# Altium PCB ROBOT_PCB_version2.PcbDoc (part 3 of 3)
Units mm, origin at the board's own origin, x right, y up, seen from the top; angles counter-clockwise.
Board outline 200 x 120 mm, 4 copper layers (Top Layer, POWER, GND, Bottom Layer), stack 2.008 mm thick; 282 components, 218 nets, 957 pads, 326 vias.
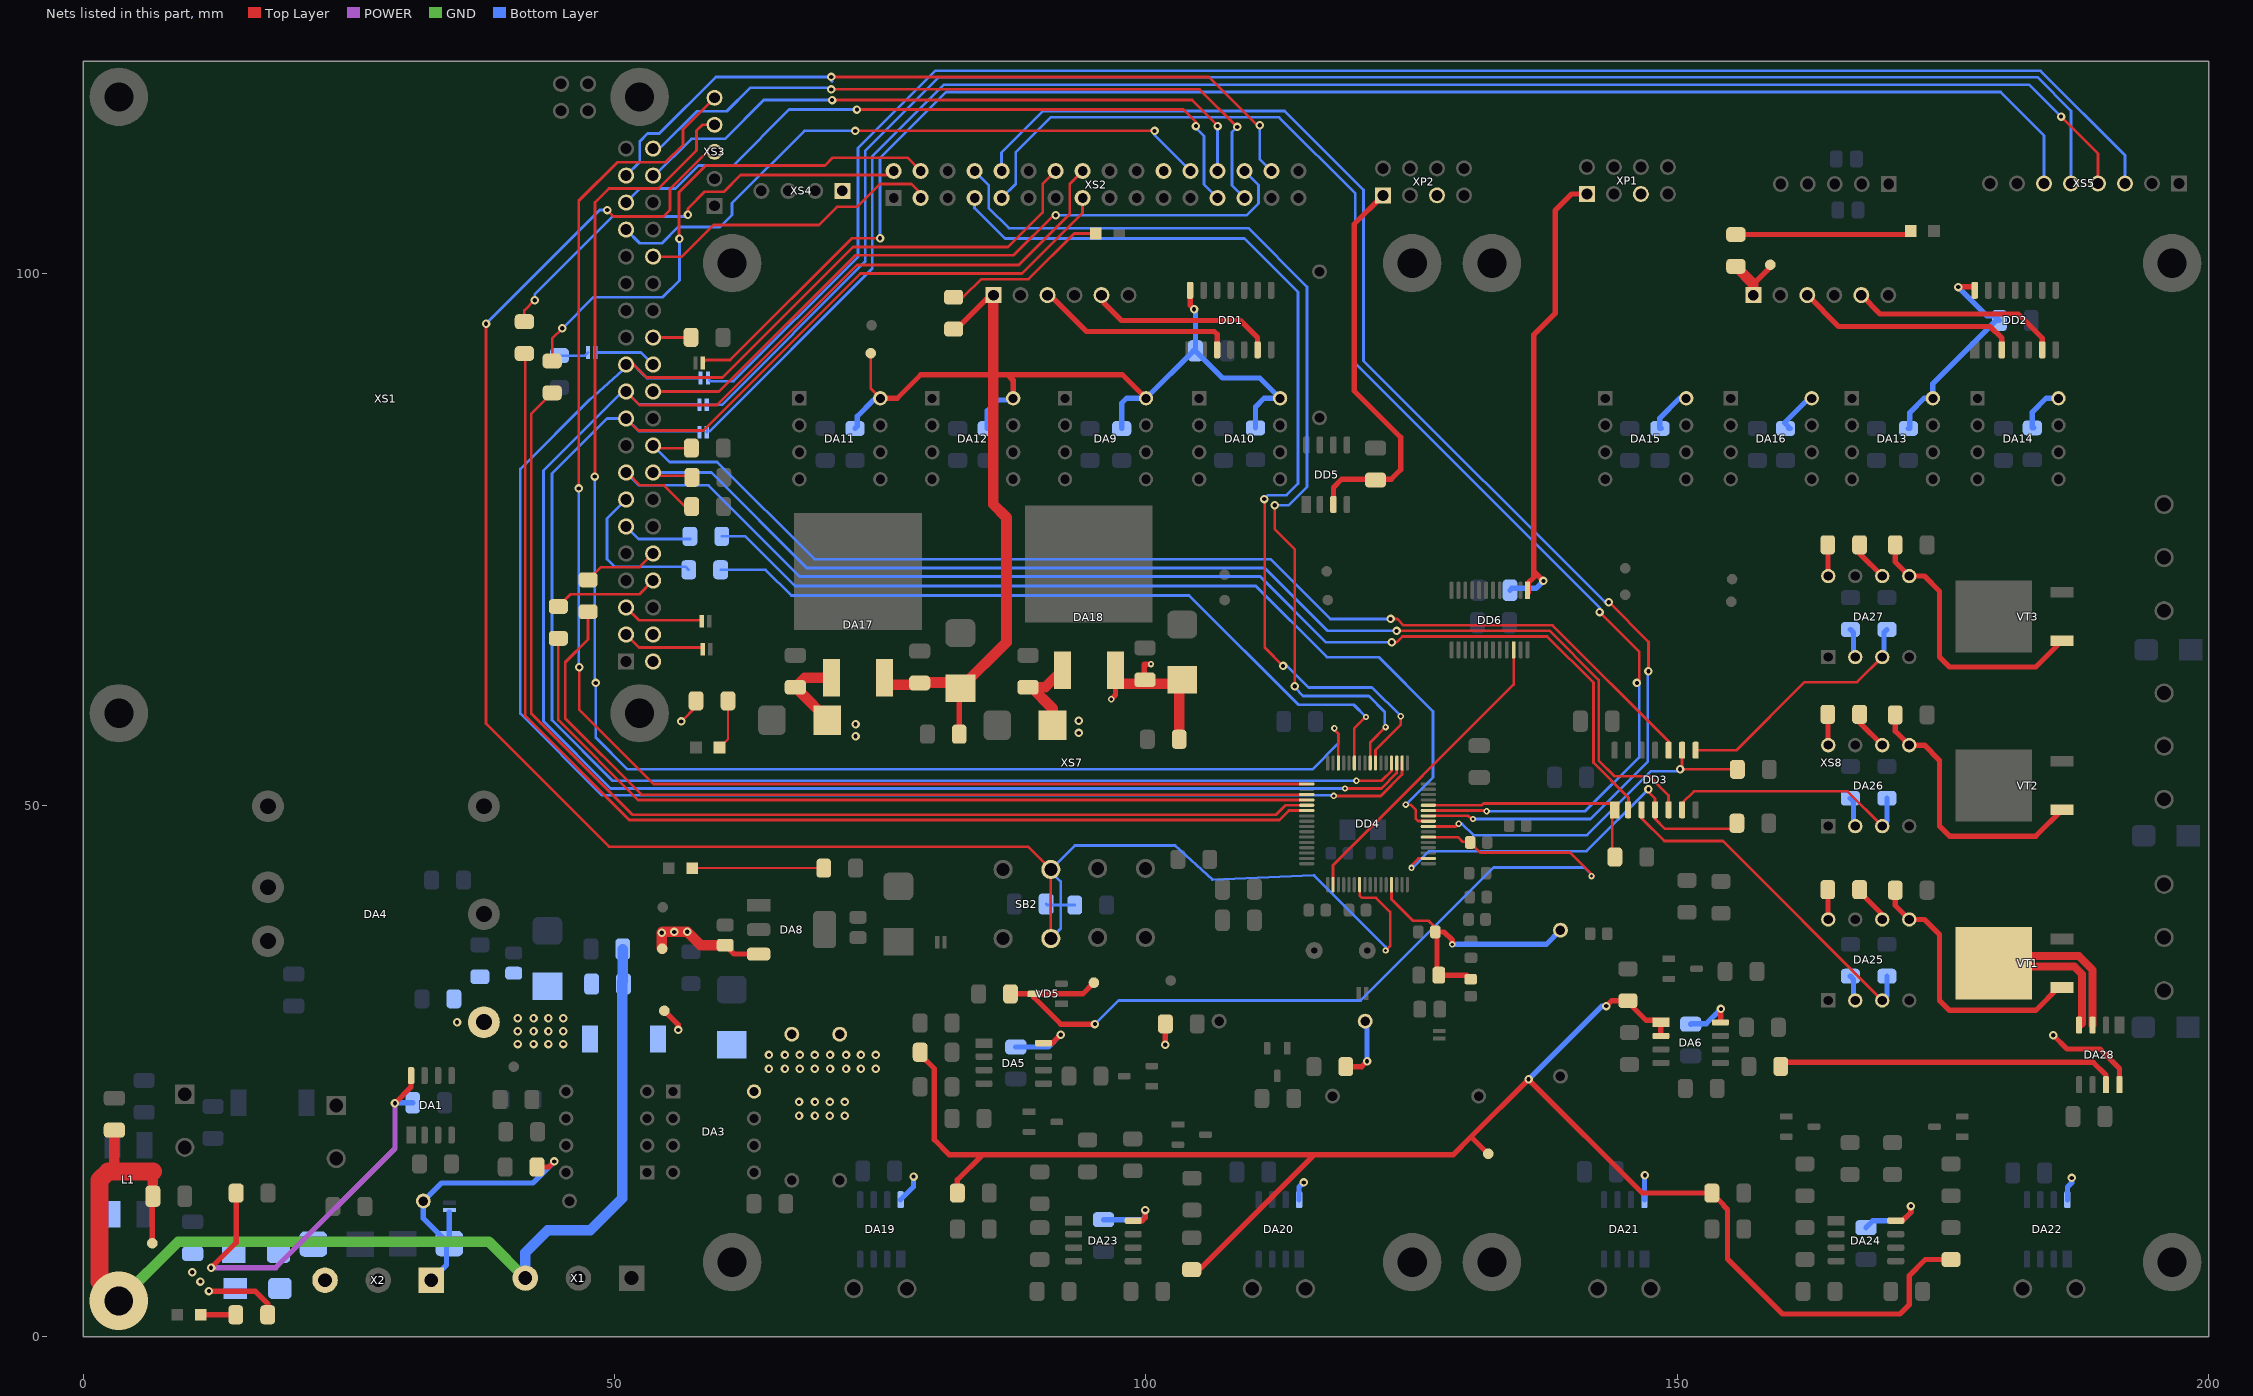
[diagram p5: the nets of this part, all layers, seen from the top]

## Via types
v1: diameter 0.8, hole 0.4, Top Layer to Bottom Layer, 274 vias
v2: diameter 0.6, hole 0.3, Top Layer to Bottom Layer, 47 vias
v3: diameter 1.27, hole 0.711, Top Layer to Bottom Layer, 3 vias
v4: diameter 5.5, hole 2.75, Top Layer to Bottom Layer, 1 vias
v5: diameter 5.5, hole 2.7, Top Layer to Bottom Layer, 1 vias

## Nets (pads, with @x,y where several pads share a name; then routed paths per layer and width w, separated by ;. In a path a pad name is that pad's centre, name@x,y a point inside that pad or via, vN(x,y) a via of type N, cw(c..) or ccw(c..) an arc to the next point about the centre after c; other vN are vias at no path point) (continued)
NetDA25_2: DA25.2 R90.1 | length 2.5
  Bottom Layer w0.5: R90.1@166.28,33.91 166.577,33.613 166.577,31.793 DA25.2@166.74,31.63
NetDA25_3: DA25.3 DD3.3 R88.1 | length 33
  Top Layer w0.254: DD3.3@146.63,49.57 146.63,48.77 148.775,46.625 154.285,46.625 DA25.3@169.28,31.63
  Bottom Layer w0.5: DA25.3@169.28,31.63 169.72,32.07 R88.1@169.72,33.91
NetDA25_5: DA25.5 R100.2 VT1.1 | length 25.7
  Top Layer w0.5: R100.2@170.5,42 170.5,40.57 DA25.5@171.82,39.25 173.24,39.25 174.67,37.82 174.67,31.63 175.61,30.69 183.72,30.69 185.88,32.85 VT1.1@186.19,32.85
NetDA25_6: DA25.6 R99.1 | length 3.7
  Top Layer w0.5: R99.1@167.15,42.05 167.15,41.85 169.117,39.883 169.117,39.413 DA25.6@169.28,39.25
NetDA26_2: DA26.2 R91.1 | length 2.8
  Bottom Layer w0.5: R91.1@166.28,50.65 166.577,50.353 166.577,48.193 DA26.2@166.74,48.03
NetDA26_3: DA26.3 DD3.6 R89.1 | length 24.1
  Top Layer w0.254: DD3.6@150.44,49.57 150.44,50.19 151.55,51.3 166.01,51.3 DA26.3@169.28,48.03
  Bottom Layer w0.5: DA26.3@169.28,48.03 169.72,48.47 R89.1@169.72,50.65
NetDA26_5: DA26.5 R102.2 VT2.1 | length 26
  Top Layer w0.5: R102.2@170.5,58.5 170.5,56.97 DA26.5@171.82,55.65 173.24,55.65 174.67,54.22 174.67,48.03 175.61,47.09 183.72,47.09 VT2.1@186.19,49.56
NetDA26_6: DA26.6 R101.1 | length 3.8
  Top Layer w0.5: R101.1@167.15,58.55 167.15,57.78 DA26.6@169.28,55.65
NetDA27_2: DA27.2 R92.1 | length 2.8
  Bottom Layer w0.5: R92.1@166.28,66.53 166.577,66.233 166.577,64.103 DA27.2@166.74,63.94
NetDA27_3: DA27.3 DD3.8 R87.1 | length 24
  Top Layer w0.254: DD3.8@151.71,55.17 155.57,55.17 161.975,61.575 166.915,61.575 DA27.3@169.28,63.94
  Bottom Layer w0.5: DA27.3@169.28,63.94 169.443,64.103 169.443,66.253 R87.1@169.72,66.53
NetDA27_5: DA27.5 R104.2 VT3.1 | length 26.1
  Top Layer w0.5: R104.2@170.5,74.5 170.5,72.88 DA27.5@171.82,71.56 173.24,71.56 174.67,70.13 174.67,63.94 175.61,63 183.72,63 VT3.1@186.19,65.47
NetDA27_6: DA27.6 R103.1 | length 3.8
  Top Layer w0.5: R103.1@167.15,74.5 167.15,73.69 DA27.6@169.28,71.56
NetDA28_3: DA28.3 DA28.4 VT1.2 | length 28.9
  Top Layer w0.5: VT1.2@179.79,35.13 VT1.2@180.46,35.8
  Top Layer w0.75: VT1.2@179.79,35.13 180.12,34.8 187.365,34.8 188.075,34.09 188.075,29.475 DA28.4@187.9,29.3 ; VT1.2@180.46,35.8 187.775,35.8 189.065,34.51 DA28.3@189.065,29.3
NetDA28_7: DA28.7 R98.1 | length 32.2
  Top Layer w0.5: R98.1@159.725,25.425 160.1,25.8 189.135,25.8 190.335,24.6 DA28.7@190.335,23.7
NetE2_1: E2.1 XS1.24 | length 6.1
  Bottom Layer w0.254: E2.1@48.2,92.6 52.48,92.6 XS1.24@53.62,91.46 XS1.24@53.393,91.46
NetE2_2: E2.2 R8.2 | length 2.8
  Bottom Layer w0.254: R8.2@44.8,92.3 47.2,92.3 E2.2@47.5,92.6
NetE3_1: E3.1 XS1.3 | length 8.1
  Top Layer w0.254: XS1.3@50.785,66.06 XS1.3@51.08,66.06 52.301,64.839 58.311,64.839 E3.1@58.387,64.763
NetE4_1: E4.1 XS1.5 | length 7.6
  Top Layer w0.254: XS1.5@51.08,68.6 52.28,67.4 E4.1@58.2,67.4
NetE5_1: E5.1 XS5.3 | length 157.3
  Bottom Layer w0.254: E5.1@58.93,89.973 59.003,89.9 61.2,89.9 72.9,101.6 72.9,111.845 80.155,119.1 178.266,119.1 184.18,119.1 192.12,111.16 XS5.3@192.12,108.5
NetE6_1: E6.1 XS5.4 | length 156.3
  Top Layer w0.254: v1(186.1,114.8) 189.58,111.32 XS5.4@189.58,108.5
  Bottom Layer w0.254: E6.1@58.675,85.1 E6.1@58.675,85.575 ; 58.938,85.178 74.235,100.475 74.235,111.06 80.975,117.8 178.316,117.8 183.1,117.8 v1(186.1,114.8)
NetE7_1: E7.1 XS5.5 | length 155
  Bottom Layer w0.254: E7.1@58.675,87.675 60.101,87.675 73.574,101.148 73.574,111.566 80.508,118.5 178.308,118.5 183.875,118.5 187.04,115.335 XS5.5@187.04,108.837
NetE8_1: E8.1 XS5.6 | length 147.4
  Top Layer w0.254: E8.1@58.3,91.6 58.6,91.9 60.875,91.9 72.325,103.35 v1(74.975,103.35) v1@74.996,103.35
  Bottom Layer w0.254: v1(74.975,103.35) 74.975,110.9 81.175,117.1 178.324,117.1 180.425,117.1 184.5,113.025 XS5.6@184.5,108.5
NetHL1_a: HL1.a R30.2 | length 4.7
  Top Layer w0.2: HL1.a@59.864,55.42 60.663,56.22 R30.2@60.663,59.82
NetHL2_a: HL2.a R31.2 | length 12.5
  Top Layer w0.2: HL2.a@57,44.027 HL2.a@57.1,43.927 ; HL2.a@57.3,44.052 57.323,44.075 R31.2@69.675,44.075
NetHL3_a: HL3.a R32.2 | length 15.9
  Top Layer w0.254: R32.2@81.9,97.8 82.8,97.8 84.5,99.5 88.95,99.5 93.25,103.8 HL3.a@95.27,103.8
NetHL4_a: HL4.a R33.2 | length 16.4
  Top Layer w0.5: R33.2@155.5,103.7 HL4.a@171.95,103.7
NetHL5_a: HL5.a R28.2 | length 3.3
  Top Layer w0.5: HL5.a@11.05,2.05 R28.2@14.35,2.05
NetR6_2: R6.2 XS1.11 | length 6.5
  Bottom Layer w0.254: XS1.11@51.08,76.22 52.25,75.05 R6.2@57.125,75.05
NetR7_2: R7.2 XS1.13 | length 14.5
  Bottom Layer w0.254: XS1.13@51.08,78.76 49.28,76.96 49.28,73.145 49.975,72.45 56.675,72.45 R7.2@56.975,72.15
NetR9_2: R9.2 XS1.26 | length 3.3
  Top Layer w0.254: XS1.26@53.62,94 R9.2@56.9,94
NetR13_1: R13.1 XS2.2 | length 42.2
  Top Layer w0.254: R13.1@41.5,95.5 41.5,96.55 v1(42.475,97.525) ; v1(56.9,105.55) 56.9,106.15 58.475,107.725 60.275,107.725 61.85,109.3 75.875,109.3 XS2.2@76.25,109.675
  Bottom Layer w0.254: v1(42.475,97.525) 42.475,98.075 49.8,105.4 57.048,105.4 56.9,105.548 v1(56.9,105.55)
NetR14_1: R14.1 XS2.4 | length 49.3
  Top Layer w0.254: R14.1@44.125,91.8 44.125,93.925 v1(45.075,94.875) ; v1(56.1,103.296) 56.05,103.346 56.05,107.675 58.575,110.2 69.8,110.2 70.525,110.925 77.54,110.925 XS2.4@78.79,109.675
  Bottom Layer w0.254: v1(45.075,94.875) 48,97.8 54.525,97.8 56.1,99.375 v1(56.1,103.296)
NetR26_2: R26.2 R29.1 | length 6.1
  Top Layer w0.5: R26.2@118.8,25.4 120.3,25.4 v1(120.8,25.9)
  Bottom Layer w0.5: R29.1@120.625,29.675 120.8,29.5 v1(120.8,25.9)
O\E\: DD4.2 DD6.22 | length 29.2
  Top Layer w0.254: DD4.2@117.6,42.495 DD4.2@117.6,42.52 117.6,44.35 134.6,61.35 DD6.22@134.6,64.625
P1V: DA6.1 DA6.2 K3.1 R19.1 R60.1 R62.1 R64.1 R66.1 R97.1 | length 177.2
  Top Layer w0.5: R19.1@78.75,26.75 78.75,26.55 80.075,25.225 80.075,18.525 81.5,17.1 82.66,17.1 ; R60.1@82.25,13.3 R60.1@82.25,13.5 82.25,14.75 84.6,17.1 ; 82.3,17.1 84.6,17.1 ; R62.1@104.125,6.4 105.125,6.4 115.825,17.1 ; K3.1@132.2,17.2 130.6,18.8 ; v1(143.3,31.1) 143.8,31.6 R97.1@145.35,31.6 ; R97.1@145.15,31.35 145.469,31.35 147.069,29.75 148.255,29.75 DA6.1@148.45,29.555 DA6.2@148.45,28.285 ; R66.1@175.75,7.25 173.325,7.25 171.825,5.75 171.825,3 170.95,2.125 159.9,2.125 154.725,7.3 154.725,11.95 154.348,12.327 154.348,12.402 R64.1@153.25,13.5 146.7,13.5 v1(136,24.2) 130.6,18.8 ; 84.6,17.1 103.699,17.1 115.825,17.1 ; 115.825,17.1 116.595,17.1 ; 116.595,17.1 128.9,17.1 ; 116.595,17.1 128.9,17.1 ; 128.9,17.1 130.6,18.8
  Bottom Layer w0.5: v1(136,24.2) 142.9,31.1 v1(143.3,31.1)
P5V: C10.2 C12.1 C13.1 C15.p C19.1 C59.1 C60.1 DA4.4 DA8.3 DD5.3 DD6.1 K6.1 L3.1 R30.1 R68.2 XP1.1 XP1.5 XP2.1 XP2.5 XS1.2 XS1.4 XS2.22 XS4.1 | length 97
  Top Layer w0.254: v1(56.275,57.875) 57.663,59.263 R30.1@57.663,59.645
  Top Layer w0.5: C19.1@60.4,36.827 61.235,35.992 DA8.3@63.55,35.992 ; DD5.3@117.635,78.3 117.635,79.9 118.405,80.67 123.07,80.67 123.975,81.575 123.975,84.609 119.6,88.984 119.6,104.68 XP2.1@122.305,107.385 ; DD6.1@136,70 DD6.1@136,70.325 ; DD6.1@136,70.225 136,70.95 136.5,71.45 136.5,72 ; v1(137.4,71.1) 136.5,72 ; XP1.1@141.485,107.51 140.05,107.51 138.5,105.96 138.5,96.275 136.5,94.275 136.5,72
  Top Layer w1: K6.1@54.475,36.5 54.425,36.55 v1(54.425,38) 54.5,38.075 v1(55.6,38.075) 55.625,38.1 v1(56.825,38.1) 58.098,36.827 C19.1@60.4,36.827
  Bottom Layer w0.5: C60.1@134.25,70.225 134.425,70.4 136.7,70.4 v1(137.4,71.1)
  Bottom Layer w2: DA4.4@37.7,29.58 DA4.4@37.924,29.58
  other v1: 40.876,27.524 42.376,27.524 43.776,27.524 45.176,27.524 40.876,28.724 42.376,28.724 43.776,28.724 45.176,28.724 35.173,29.58 40.876,29.943 42.376,29.943 43.776,29.943 45.176,29.943
P5V_A: C16.2 C17.p C18.2 C44.2 C45.2 DA3.8 DA5.8 DA6.8 DA19.8 DA20.8 DA21.8 DA22.8 DA23.8 DA24.8 DA28.8 K7.1 L3.2 R16.2 R17.2 R23.1 | length 48.1
  Top Layer w0.5: K7.1@54.675,30.65 55.975,29.35 v1(55.975,28.85) ; DA5.8@90.35,27.61 91.179,27.61 91.969,28.4 v1(91.975,28.4) ; DA23.8@98.8,10.905 99.655,10.905 99.925,11.175 v1(99.925,11.9) ; v1(101.8,27.45) 101.825,27.475 R23.1@101.825,29.425 ; DA6.8@154.05,29.555 154.075,29.58 154.075,30.8 v1(154.1,30.825) ; DA24.8@170.55,10.905 171.18,10.905 171.975,11.7 v1(171.975,12.275) ; v1(185.375,28.35) 186.675,27.05 189.775,27.05 191.605,25.22 DA28.8@191.605,23.7
  Bottom Layer w0.5: DA19.8@76.905,12.875 78.125,14.095 v1(78.125,15.05) ; C18.2@87.75,27.25 90.825,27.25 v1(91.975,28.4) ; C44.2@96,11 99.675,11 99.925,11.25 v1(99.925,11.9) ; DA20.8@114.405,12.875 114.405,14.055 v1(114.85,14.5) ; DA21.8@146.905,12.875 146.905,15.13 v1(146.95,15.175) ; C16.2@151.25,29.4 151.282,29.432 152.707,29.432 v1(154.1,30.825) ; C45.2@167.75,10.25 168.4,10.9 171.175,10.9 171.975,11.7 v1(171.975,12.275) ; DA22.8@186.705,12.875 186.705,14.055 187.1,14.45 v1(187.1,14.925)
  other v1: 67.35,20.775 68.85,20.775 70.25,20.775 71.65,20.775 67.35,22.075 68.85,22.075 70.25,22.075 71.65,22.075 64.524,25.204 66.024,25.204 67.424,25.204 68.824,25.204 70.275,25.2 71.775,25.2 73.175,25.2 74.575,25.2 64.524,26.504 66.024,26.504 67.424,26.504 68.824,26.504 70.275,26.5 71.775,26.5 73.175,26.5 74.575,26.5
P5V_EXT_1: C30.2 C32.p C35.2 DA9.8 DA10.8 DA11.8 DA12.8 DA17.3 DD1.14 K16.1 R32.1 R42.2 R43.2 R44.2 R45.2 R57.2 XS7.1 | length 130.2
  Top Layer w0.254: K16.1@74.1,92.525 74.1,89.19 DA11.8@75,88.29
  Top Layer w0.5: DA11.8@75,88.29 76.59,88.29 78.8,90.5 85.63,90.5 86.975,90.5 ; R32.1@81.9,94.8 82.175,94.8 85.375,98 XS7.1@85.65,98 ; R57.2@82.425,57.025 82.425,60.89 C32.p@82.535,61 ; DA12.8@87.5,88.29 87.5,89.975 86.975,90.5 ; DA9.8@100,88.29 97.79,90.5 86.975,90.5 ; DD1.14@104.15,98.45 104.15,97.05 v1(104.525,96.675)
  Top Layer w1: DA17.3@75.4,62 75.4,61.616 75.7,61.316 78.516,61.316 C30.2@78.7,61.5 78.75,61.55 82.485,61.55 82.535,61.6 C32.p@82.635,61.6 ; C32.p@82.535,61 86.875,65.34 86.875,77.07 85.63,78.315 85.63,90.5 XS7.1@85.63,97.48
  POWER w0.5: DA11.8@75,88.29 DA11.8@75.145,88.435
  Bottom Layer w0.5: R44.2@72.615,85.445 72.837,85.667 72.837,86.602 74.362,88.127 74.837,88.127 DA11.8@75,88.29 ; R45.2@85.06,85.445 85.06,87.11 86.077,88.127 87.337,88.127 DA12.8@87.5,88.29 ; R42.2@97.715,85.445 97.715,87.834 98.17,88.29 DA9.8@100,88.29 104.46,92.75 C35.2@104.65,92.75 ; v1(104.525,96.675) 104.65,96.55 C35.2@104.65,92.75 ; R43.2@110.3,85.5 110.3,87.484 111.106,88.29 DA10.8@112.62,88.29 110.705,90.205 107.195,90.205 C35.2@104.65,92.75
P5V_EXT_2: C31.2 C33.p C36.2 DA13.8 DA14.8 DA15.8 DA16.8 DA18.3 DD2.14 K17.1 R33.1 R46.2 R47.2 R48.2 R49.2 R59.2 XS8.1 | length 58.5
  Top Layer w0.5: v2(96.725,59.975) 97.125,60.375 97.125,61.616 DA18.3@97.125,62.7 ; C31.2@99.9,61.425 99.825,61.5 99.825,63.225 99.875,63.275 v2(100.475,63.275) ; 157.15,99.05 158.75,100.65 K17.1@158.75,100.85 ; v1(176.425,98.75) 176.425,98.785 177.655,98.785 DD2.14@177.99,98.45
  Top Layer w1: DA18.3@97.125,61.616 97.316,61.425 99.9,61.425 103.025,61.425 C33.p@103.116,61.516 ; R59.2@103.116,56.2 C33.p@103.116,61.516 ; C33.p@103.4,61.8 C33.p@103.116,61.516 ; R33.1@155.5,100.7 157.15,99.05 XS8.1@157.15,98
  POWER w0.5: DA15.8@150.835,88.29 DA15.8@150.835,88.735
  Bottom Layer w0.5: R48.2@148.35,85.445 148.496,85.445 148.35,85.591 148.35,86.422 150.218,88.29 DA15.8@150.835,88.29 ; R49.2@160.475,85.445 160.621,85.445 160.083,85.983 162.39,88.29 DA16.8@162.645,88.29 ; R46.2@171.735,85.445 171.881,85.445 171.881,86.958 173.213,88.29 DA13.8@174.045,88.29 174.045,89.67 179.975,95.6 C36.2@180.3,95.6 179.869,96.031 179.144,96.031 v1(176.425,98.75) ; R47.2@183.4,85.5 183.546,85.5 183.4,85.646 183.4,87 184.69,88.29 DA14.8@185.865,88.29
PI_CS1: DD4.25 R6.1 | length 86.9
  Top Layer w0.254: v2(124.45,50.05) 124.9,50.05 125.375,49.575 125.375,48.732 125.599,48.508 126.587,48.508 DD4.25@126.6,48.495
  Bottom Layer w0.254: R6.1@60.08,75.3 62.3,75.3 66.975,70.625 110.326,70.625 117.026,63.925 121.9,63.925 127,58.825 127,52.6 v2(124.45,50.05)
PI_CS2: DD4.43 R7.1 | length 71.2
  Top Layer w0.254: DD4.43@119.6,53.995 119.6,57.242 120.658,58.3 v2(120.7,58.3)
  Bottom Layer w0.254: R7.1@59.975,72.15 64.2,72.15 66.625,69.725 104.065,69.725 114.34,59.45 119.55,59.45 v2(120.7,58.3)
PI_MOWER1_EN: DD3.2 R82.1 XS1.15 | length 121
  Top Layer w0.254: XS1.15@51.08,81.3 51.2,81.3 52.4,80.1 54.65,80.1 56.687,78.063 R82.1@57.2,78.575 ; v1(123.125,65.325) 123.575,65.325 124.125,65.875 137.75,65.875 142.1,61.525 142.1,54 145.4,50.7 145.4,49.61 DD3.2@145.36,49.57
  Bottom Layer w0.254: XS1.15@51.08,81.3 52.28,80.1 58.825,80.1 67.4,71.525 110.75,71.525 116.95,65.325 v1(123.125,65.325) v1@123.4,65.325
PI_MOWER2_EN: DD3.5 R85.1 XS1.16 | length 117.8
  Top Layer w0.254: XS1.16@53.62,81.3 53.92,81 56.825,81 56.975,80.85 R85.1@57.275,80.85 ; v1(123.575,66.4) 138,66.4 142.6,61.8 142.6,54.2 144.075,52.725 147.375,52.725 149.17,50.93 DD3.5@149.17,49.57
  Bottom Layer w0.254: XS1.16@53.62,81.3 59.1,81.3 68.075,72.325 111.175,72.325 117.1,66.4 v1(123.575,66.4)
PI_MOWER3_EN: DD3.10 R81.1 XS1.18 | length 111.9
  Top Layer w0.254: XS1.18@53.62,83.84 53.885,83.575 56.9,83.575 R81.1@57.3,83.175 ; v1(123.018,67.525) 123.65,67.525 124.25,66.925 138.262,66.925 149.17,56.017 DD3.10@149.17,55.17
  Bottom Layer w0.254: XS1.18@53.62,83.84 55.16,82.3 59.65,82.3 68.8,73.15 111.725,73.15 117.35,67.525 v1(123.018,67.525)
PI_UART_RX: R96.1 XS1.10 | length 7.1
  Top Layer w0.254: R96.1@47.5,71.2 48.7,72.4 52.34,72.4 XS1.10@53.62,73.68
PI_UART_TX: R95.1 XS1.8 | length 9.9
  Top Layer w0.254: R95.1@44.7,68.7 45.85,69.85 52.33,69.85 XS1.8@53.62,71.14
PWM1: DD1.3 XS7.3 | length 18.9
  Top Layer w0.5: XS7.3@90.73,98 90.975,98 94.4,94.575 106.425,94.575 106.69,94.31 DD1.3@106.69,92.85
PWM2: DD1.6 XS7.5 | length 17.8
  Top Layer w0.5: XS7.5@95.81,98 96.001,97.809 96.001,97.299 97.7,95.6 108.9,95.6 110.5,94 DD1.6@110.5,92.85
PWM3: DD2.3 XS8.3 | length 21.1
  Top Layer w0.5: XS8.3@162.23,98 165.18,95.05 179.425,95.05 180.53,93.945 DD2.3@180.53,92.85
PWM4: DD2.6 XS8.5 | length 19.8
  Top Layer w0.5: XS8.5@167.31,98 169.085,96.225 182.075,96.225 184.34,93.96 DD2.6@184.34,92.85
RESET: C34.2 DD4.7 R54.2 SB2.2 XS3.3 | length 187.9
  Top Layer w0.254: v1(37.9,95.3) 37.9,57.675 49.475,46.1 88.9,46.1 SB2.2@91.05,43.95 SB2.2@91.05,37.45 ; v1(49.3,106) 49.9,105.4 54.6,105.4 55.2,106 55.2,108 58.68,111.48 XS3.3@59.4,111.48 ; DD4.7@120.1,42.495 120.1,41.516 120.339,41.278 121.647,41.278 122.97,39.955 122.97,36.745 v2(122.55,36.325)
  Bottom Layer w0.254: v1(37.9,95.3) 48.6,106 v1(49.3,106) ; C34.2@90.6,40.7 90.7,40.6 91.975,40.6 ; SB2.2@91.05,37.45 91.975,38.375 91.975,40.6 ; R54.2@93.3,40.6 91.975,40.6 ; v2(122.55,36.325) 122.55,36.65 115.8,43.4 106.244,42.991 102.747,46.2 102.542,46.2 93.3,46.2 SB2.2@91.05,43.95 91.05,43.75 91.975,42.825 91.975,40.6
RPI_GPIO25: XS1.22 XS2.28 | length 68.3
  Top Layer w0.254: XS1.22@53.18,88.92 59.82,88.92 72.65,101.75 87.55,101.75 91.3,105.5 v1(91.5,105.5)
  Bottom Layer w0.254: v1(91.5,105.5) 109.45,105.5 110.581,106.631 110.581,108.364 XS2.28@109.27,109.675
RPI_GPIO26: XS1.37 XS2.30 | length 72
  Top Layer w0.254: v1(70.375,118.525) 105.925,118.525 110.7,113.75 v1(110.7,113.97)
  Bottom Layer w0.254: XS1.37@51.08,109.24 52.365,110.525 52.365,112.465 53.1,113.2 54.2,113.2 59.525,118.525 v1(70.375,118.525) 70.375,118.175 70.45,118.1 ; v1(110.7,113.97) 110.7,110.785 XS2.30@111.81,109.675
RPI_PCM_DIN: XS1.38 XS2.26 | length 61.6
  Top Layer w0.254: v1(70.453,116.356) 104.344,116.356 v1@106.73,113.97 ; v1(106.73,113.9) v1@106.73,113.97
  Bottom Layer w0.254: XS1.38@53.62,109.24 53.765,109.24 57.225,112.7 60.375,112.7 64.031,116.356 v1(70.453,116.356) ; XS2.26@106.73,109.675 106.775,109.72 106.69,109.805 106.88,109.995 106.73,110.145 106.8,110.215 106.73,110.285 v1(106.73,113.9)
RPI_PCM_DOUT: XS1.40 XS2.27 | length 66.2
  Top Layer w0.254: v1(70.378,117.356) 105.054,117.356 v1(108.585,113.825)
  Bottom Layer w0.254: XS1.40@53.62,111.78 54.23,111.78 57.75,115.3 60.55,115.3 62.75,117.5 70.234,117.5 v1(70.378,117.356) ; v1(108.585,113.825) 108.1,113.34 108.1,108.305 XS2.27@109.27,107.135
RPI_PCM_FS: XS1.35 XS2.25 | length 65.7
  Top Layer w0.254: v1(72.804,115.456) 103.519,115.456 104.7,114.275 v1(104.7,113.9)
  Bottom Layer w0.254: XS1.35@51.08,106.7 52.405,108.025 55.725,108.025 57.9,110.2 61.17,110.2 66.426,115.456 v1(72.804,115.456) ; v1(104.7,113.9) 104.7,113.725 105.45,112.975 105.45,108.415 XS2.25@106.73,107.135
RPI_PWM0: XS1.32 XS2.3 | length 28.8
  Top Layer w0.254: XS1.32@53.62,101.62 56.32,101.62 59.3,104.6 69.225,104.6 70.925,106.3 72.8,106.3 74.95,108.45 77.925,108.45 78.79,107.585 XS2.3@78.79,107.135
RPI_PWM1: XS1.33 XS2.24 | length 60.5
  Top Layer w0.254: v1(72.65,113.45) v1(100.8,113.45)
  Bottom Layer w0.254: XS1.33@51.08,104.16 52.365,102.875 54.45,102.875 55.975,104.4 59.9,104.4 61.05,105.55 61.05,106.65 67.85,113.45 v1(72.65,113.45) ; v1(100.8,113.45) 100.8,113.065 XS2.24@104.19,109.675
SPI_MISO: DD4.35 E7.2 XS1.21 XS2.16 | length 180.5
  Top Layer w0.254: XS1.21@51.08,88.92 52.35,87.65 59.65,87.65 72.825,100.825 88.025,100.825 92.825,105.625 92.825,108.47 XS2.16@94.03,109.675 ; v2@118.7,51.6 v2(118.727,51.573) 122.148,51.573 123.587,53.012 123.587,53.982 DD4.35@123.6,53.995
  Bottom Layer w0.254: E7.2@57.825,87.7 52.3,87.7 XS1.21@51.08,88.92 50.72,88.92 43.3,81.5 43.3,57.9 49.627,51.573 v2(118.727,51.573)
SPI_MOSI: DD4.36 E6.2 XS1.19 XS2.15 | length 175.4
  Top Layer w0.254: XS1.19@51.08,86.38 52.21,85.25 58.35,85.25 73.125,100.025 88.325,100.025 94.03,105.73 XS2.15@94.03,107.135 ; v2(119.8,52.3) 122.18,52.3 123.1,53.22 DD4.36@123.1,53.97
  Bottom Layer w0.254: E6.2@57.89,85.185 52.275,85.185 XS1.19@51.08,86.38 49.28,86.38 44.1,81.2 44.1,58 49.8,52.3 v2(119.8,52.3)
SPI_SCK: DD4.34 E5.2 XS1.23 XS2.14 | length 183.3
  Top Layer w0.254: XS1.23@51.08,91.46 51.79,91.46 53,90.25 60.15,90.25 72.425,102.525 74.847,102.525 74.849,102.523 87.023,102.523 90.275,105.775 90.275,108.46 XS2.14@91.49,109.675 ; v2(117.673,50.873) 122.09,50.873 124.087,52.87 124.087,53.982 DD4.34@124.1,53.995
  Bottom Layer w0.254: E5.2@58.08,90.203 53.025,90.203 53.025,90.19 52.713,90.502 51.53,91.685 51.219,91.336 51.203,91.322 47.613,88.123 41.125,81.635 41.125,58.617 48.813,50.929 117.617,50.929 v2(117.673,50.873)
ST_MOWER1_EN: DD3.1 DD4.28 R84.1 | length 22.2
  Top Layer w0.254: DD4.28@126.6,49.995 131.59,49.995 131.749,50.154 143.617,50.154 144.09,49.681 DD3.1@144.09,49.57 143.875,49.355 R84.1@143.875,45.325
ST_MOWER2_EN: DD3.4 DD4.18 R80.1 | length 38.8
  Top Layer w0.254: v2(124.983,44.101) 124.983,44.333 125.645,44.995 DD4.18@126.6,44.995 ; v1(147.275,51.5) 147.275,51.25 147.9,50.625 DD3.4@147.9,49.57 147.9,48.725 148.847,47.778 155.078,47.778 R80.1@155.6,48.3
  Bottom Layer w0.254: v2(124.983,44.101) 125.076,44.101 126.65,45.675 141.45,45.675 v1(147.275,51.5)
ST_MOWER3_EN: DD3.9 DD4.24 R83.1 | length 34
  Top Layer w0.254: DD4.24@126.6,47.995 126.605,48 129.175,48 v2(129.425,48.25) ; DD3.9@150.44,55.17 150.44,53.565 v1(150.25,53.375) R83.1@155.65,53.375
  Bottom Layer w0.254: v2(129.425,48.25) 129.75,48.25 130.825,47.175 133.872,47.175 133.874,47.173 137.601,47.173 137.603,47.175 141.5,47.175 147.525,53.2 150.075,53.2 v1(150.25,53.375)
SWCLK: DD4.49 XS3.5 | length 136.9
  Top Layer w0.254: v1(46.625,79.8) 46.625,106.875 50.25,110.5 54.8,110.5 56.425,112.125 56.425,113.585 XS3.5@59.4,116.56 ; v1(46.675,62.988) 46.675,58.975 53.655,51.995 DD4.49@115.1,51.995
  Bottom Layer w0.254: v1(46.625,79.8) 46.625,63.038 v1(46.675,62.988)
SWDIO: DD4.46 XS3.4 | length 142.9
  Top Layer w0.254: v1(48.125,80.925) 48.15,80.95 48.15,106.725 49.45,108.025 54.125,108.025 57.7,111.6 57.7,113.475 58.245,114.02 XS3.4@59.4,114.02 ; v2(117.727,57.242) 117.727,57.094 118.1,56.721 DD4.46@118.1,53.995
  Bottom Layer w0.254: v1(48.125,80.925) 48.125,61.598 v1(48.225,61.498) 48.225,56.375 51.227,53.373 115.661,53.373 118.087,55.799 118.087,56.734 117.727,57.094 v2(117.727,57.242)
TIMER_RESERVED_1: DD4.39 XS2.7 | length 91.5
  Top Layer w0.254: v1@110.954,78.971 v1(111.125,78.8) 111.184,78.741 111.184,64.816 v1(112.9,63.1) ; DD4.39@121.6,53.995 121.6,55.2 123.959,57.559 123.959,58.359 v2(123.975,58.375)
  Bottom Layer w0.254: XS2.7@83.87,107.135 83.87,106.18 86.725,103.325 109.25,103.325 114.3,98.275 114.3,80.25 113.225,79.175 111.5,79.175 v1(111.125,78.8) ; v1(112.9,63.1) 113.272,63.1 115.297,61.075 121.275,61.075 v2(123.975,58.375)
TIMER_RESERVED_2: DD4.40 XS2.8 | length 92.4
  Top Layer w0.254: v1(112.105,78.215) 112.105,75.97 114,74.075 v1(114,61.2) ; DD4.40@121.1,53.995 121.1,55.9 v2(122.55,57.35)
  Bottom Layer w0.254: XS2.8@83.87,109.675 85.2,108.345 85.2,106.2 87.1,104.3 109.625,104.3 115.15,98.775 115.15,79.956 113.408,78.215 v1(112.105,78.215) ; v1(114,61.2) 114,61.061 114.786,60.275 120.975,60.275 122.464,58.786 122.464,57.436 v2(122.55,57.35)
TIMER_RESERVED_3: DD4.26 XS2.10 | length 128.6
  Top Layer w0.254: DD4.26@126.6,48.995 130.324,48.995 130.619,48.7 v2(130.767,48.7) ; v1(143.55,69.1) 147.275,65.375 v1(147.275,62.6)
  Bottom Layer w0.254: XS2.10@86.41,109.675 86.41,111.41 90.325,115.325 113.05,115.325 120.475,107.9 120.475,91.8 143.175,69.1 v1(143.55,69.1) ; v2(130.767,48.7) 136.997,48.7 136.999,48.702 137.601,48.702 137.603,48.7 141.825,48.7 147.2,54.075 147.2,62.525 v1(147.275,62.6)
TIMER_RESERVED_4: DD4.27 XS2.9 | length 127.3
  Top Layer w0.254: DD4.27@126.641,49.495 131.982,49.495 v2(132.05,49.427) ; v1(142.675,68.175) 146.4,64.45 146.4,61.7 v1(146.2,61.5)
  Bottom Layer w0.254: XS2.9@86.41,107.135 87.75,108.475 87.75,111.45 91.027,114.727 112.523,114.727 119.7,107.55 119.7,91.575 142.675,68.6 v1(142.675,68.175) ; v2(132.05,49.427) 141.327,49.427 146.4,54.5 146.4,61.3 v1(146.2,61.5)
UART1_RX: DD4.52 R95.2 | length 81.2
  Top Layer w0.254: R95.2@44.7,65.7 44.7,58 52.205,50.495 DD4.52@115.1,50.495
UART1_TX: DD4.51 R96.2 | length 83.6
  Top Layer w0.254: R96.2@47.5,68.2 47.5,65.6 45.35,63.45 45.35,58.175 52.53,50.995 DD4.51@115.1,50.995
UART2_RX: DD4.54 R13.2 | length 112
  Top Layer w0.254: R13.2@41.595,92.5 41.595,58.38 51.375,48.6 112.55,48.6 113.445,49.495 DD4.54@115.1,49.495
UART2_TX: DD4.53 R14.2 | length 108.2
  Top Layer w0.254: R14.2@44.125,88.8 42.15,86.825 42.15,58.65 51.7,49.1 112.23,49.1 113.125,49.995 DD4.53@115.1,49.995
Uref: C27.1 C29.1 DD4.13 L4.2 R52.2 | length 27.4
  Top Layer w0.254: DD4.13@123.1,42.495 123.1,41.149 125.124,39.125 126.577,39.125 127.175,38.527 C29.1@127.175,38.075
  Top Layer w0.5: C29.1@127.175,38.075 127.375,37.875 127.375,34.18 C27.1@127.555,34 130.175,34 L4.2@130.55,33.625 ; C29.1@127.225,38.075 128.05,38.075 128.825,37.3 v2(128.825,36.9)
  Bottom Layer w0.5: v2(128.825,36.9) 137.66,36.9 R52.2@139,38.24
VBAT: C1.1 C6.1 C22.p C23.p C24.1 C25.1 DA1.8 DA17.1 DA18.1 DA25.8 DA26.8 DA27.8 L1.2 R12.1 R28.1 R99.2 R101.2 R103.2 VD2.C VD3.C | length 71.6
  Top Layer w0.5: v1(11.825,4.275) 16.175,4.275 17.35,3.1 R28.1@17.35,2.05 ; v1(12.025,6.475) 14.38,8.83 R12.1@14.38,13.5 ; v1(29.325,21.95) 30.845,23.47 DA1.8@30.845,24.55 ; R99.2@164.15,42.05 164.175,42.025 164.175,39.275 DA25.8@164.2,39.25 ; R101.2@164.15,58.55 164.175,58.525 164.175,55.675 DA26.8@164.2,55.65 ; R103.2@164.15,74.5 164.175,74.475 164.175,71.585 DA27.8@164.2,71.56
  Top Layer w1: C24.1@67,61.1 67.9,62 DA17.1@70.4,62 70.4,61.4 DA17.1@70.1,61.1 ; C24.1@67.5,60.6 70,58.1 C22.p@70,58 ; C25.1@88.9,61.1 C25.1@89.2,61.1 ; C23.p@91.2,57.511 91.2,59.1 C25.1@89.2,61.1 ; DA18.1@92.125,62.7 90.525,61.1 C25.1@89.2,61.1
  POWER w0.5: v1(12.025,6.475) 18.1,6.475 29.325,17.7 v1(29.325,21.95)
  Bottom Layer w0.254: v1(29.325,21.95) v1@29.375,22
  Bottom Layer w0.5: v1@29.375,22 C6.1@31,22
  other v1: 11.025,5.175 10.25,6.05 72.675,56.475 93.675,56.8 72.675,57.625 93.675,57.95
VBAT_ADC: C20.1 DD4.22 K2.1 R24.2 VD5.3 | length 86
  Top Layer w0.254: DD4.22@126.633,46.987 129.338,46.987 129.768,46.557 C20.1@130.438,46.557 ; C20.1@130.5,46.495 131.441,45.554 139.896,45.554 142.125,43.325 v2(141.925,43.325)
  Top Layer w0.5: R24.2@87.25,32.25 VD5.3@89.45,32.25 ; K2.1@95.1,33.3 94.05,32.25 VD5.3@89.45,32.25 ; v1(95.2,29.4) 91.98,29.4 89.45,31.93 VD5.3@89.45,32.25
  Bottom Layer w0.254: v1(95.2,29.4) 97.425,31.625 120.2,31.625 132.706,44.131 141.272,44.131 142.078,43.325 v2(141.925,43.325)
VIN+: VD1.1 VD2.A VD3.A X2.3 | length 0.2
  Bottom Layer w1.5: X2.3@22.506,5.3 X2.3@22.75,5.3
VOLTAGE: E1.2 R1.2 R2.1 VD4.1 X2.1 | length 27.9
  Top Layer w0.5: R1.2@42.7,15.95 43.8,15.95 v1(44.325,16.475)
  Bottom Layer w0.5: X2.1@32.75,5.3 34.175,6.725 34.175,8.475 VD4.1@34.45,8.75 ; E1.2@34.45,11.7 VD4.1@34.45,8.75 ; v1(44.325,16.475) 42.3,14.45 33.7,14.45 R2.1@32,12.75 32,11.1 34.35,8.75 VD4.1@34.45,8.75
Корпус: C2.2 C4.2 C13.2 C14.2 K19.1 X1.3 | length 108.3
  Top Layer w0.5: K19.1@6.5,8.775 6.5,13.15 C4.2@6.55,13.2
  Top Layer w1: 2.35,15.55 2.925,16.125 C2.2@2.925,19.425 ; v5(3.35,3.35) v5@3.35,4.16 ; C4.2@6.55,13.2 6.55,15.55
  Top Layer w1.7: v5(3.35,3.35) 1.525,5.175 1.525,14.725 2.35,15.55 6.55,15.55
  GND w1: v5(3.35,3.35) 8.925,8.925 38.17,8.925 X1.3@41.595,5.5
  Bottom Layer w1: X1.3@41.595,5.5 41.595,7.897 43.698,10 47.7,10 50.725,13.025 C13.2@50.725,33.43 ; C13.2@50.777,33.43 C14.2@50.777,36.458
pads on no net: DA2.1 DA2.4 DA2.7 DA3.1 DA3.4 DA3.7 DA4.5 DA9.1 DA9.4 DA9.7 DA10.1 DA10.4 DA10.7 DA11.1 DA11.4 DA11.7 DA12.1 DA12.4 DA12.7 DA13.1 DA13.4 DA13.7 DA14.1 DA14.4 DA14.7 DA15.1 DA15.4 DA15.7 DA16.1 DA16.4 DA16.7 DA25.1 DA25.4 DA25.7 DA26.1 DA26.4 DA26.7 DA27.1 DA27.4 DA27.7 DD3.11 DD5.5 DD5.8 VD5.2 VD6.2 VD7.2 VD8.2 VD9.2 VD10.2 VD11.2 XS1.1 XS1.7 XS1.12 XS1.17 XS1.27 XS1.28 XS1.41 XS1.42 XS1.43 XS1.44 XS1.S1 XS1.S2 XS1.S3 XS1.S4 XS2.31 XS2.32 XS4.2 XS4.3 XS7.S4 XS8.S4
copper on no net:
  other v4: 195.9,116.025

## Polygon pours and split planes (outlines as drawn)
GND on GND "GND_L03_P076" (solid, pour order 76): 34.4,35.139 34.4,41.1 34.4,111.6 42.1,119.3 197.75,119.3 199.25,117.8 199.25,102.35 174.6,77.7 174.6,31.3 173.775,30.475 163,30.475 148.25,45.225 142.85,45.225 138.375,49.7 134.05,49.7 132.205,47.855 127.08,47.855 124.983,45.758 124.983,43.283 122.416,40.716 122.416,35.459 50.584,35.558 49.301,34.61 49.299,26.799 47.382,24.882 40.043,24.953 34.4,29.184
AGND on GND "AGND_L03_P078" (solid, pour order 78): 53.021,34.525 52.2,33.95 52.2,26.6 53.1,25.7 58.7,25.7 59.9,24.5 59.9,14 66,7.9 66,3.5 188.4,3.5 190.1,5.2 190.1,26.8 187.5,29.4 162.696,29.4 147.706,44.39 142.509,44.39 137.812,49.087 134.5,49.087 132.588,47.175 127.423,47.175 125.9,45.652 125.9,43.092 123.2,40.392 123.2,35.216 122.509,34.525
0V on GND "Bottom Layer-No Net" (solid, pour order 82): 182.05,42.527 191.3,42.527 191.3,41.45 182.025,41.45 181.825,41.65 181.825,42.3
0V on GND "Bottom Layer-No Net" (solid, pour order 80): 182.05,59.027 191.3,59.027 191.3,57.95 182.025,57.95 181.825,58.15 181.825,58.8
0V on GND "Bottom Layer-No Net" (solid, pour order 74): 177.3,75.76 187.44,75.76 193.1,70.1 193.1,4.3 189.3,0.5 27.25,0.5 25.8,1.95 25.8,7 26.8,8 28.6,8 29.8,6.8 29.8,3.3 30.5,2.6 188.5,2.6 190.8,4.9 190.8,69.659 186.659,73.8 175.852,73.8 175.668,74.023 175.668,75.419 176.008,75.76
0V on GND "Bottom Layer-No Net" (solid, pour order 51): 148.5,79.888 148.5,81.46 148.993,81.953 191.747,81.953 192.2,81.5 192.2,79.55 192.045,79.395 148.993,79.395
0V on GND "Bottom Layer-No Net" (solid, pour order 3): 193.125,65.224 193.125,88.45 183.3,98.275 172.65,98.275 171.526,99.534 169.173,99.548 168.55,98.925 168.55,97.041 169.141,96.45 182.925,96.45 190.8,88.575 190.8,69.659
3V3 on POWER "Bottom Layer-No Net" (solid, pour order 27): 110.44,104.6 110.44,108.05 110.81,108.42 112.94,108.42 113.24,108.2 113.24,104.6
3V3 on POWER "Bottom Layer-No Net" (solid, pour order 25): 102.82,104.6 102.82,107.878 103.362,108.42 105.32,108.42 105.62,108.2 105.62,104.6
3V3 on POWER "Bottom Layer-No Net" (solid, pour order 23): 95.2,104.6 95.2,108.05 95.57,108.42 97.7,108.42 98,108.2 98,104.6
3V3 on POWER "Bottom Layer-No Net" (solid, pour order 21): 58.34,104.935 58.065,105.21 58.085,107.535 58.35,107.8 61.686,107.8 70.995,98.491 69.456,96.953 61.474,104.935
3V3 on POWER "3V3_L02_P013" (solid, pour order 13): 198.1,112.4 199,111.5 199,106.809 197.16,105 159.5,105 150.6,96.1 113.7,96.1 109.45,100.35 81.75,100.35 69.675,88.275 69.675,53.55 77.278,45.947 77.278,35.4 72.396,35.4 59.1,48.696 59.1,91.838 72.336,105 151.075,105 158.475,112.4
P5V on POWER "Bottom Layer-No Net" (solid, pour order 29): 103.02,112.21 103.02,108.92 102.49,108.39 100.52,108.39 100.22,108.61 100.22,112.21
P5V on POWER "P5V_L02_P009" (solid, pour order 9): 49.3,34.31 49.3,26.775 47.431,24.906 36.3,24.906 34.437,26.4 34.437,115.513 38.224,119.3 145.339,119.3 151.85,114.562 151.85,107.55 150.4,106.1 120.819,106.1 115.412,111.205 75.505,111.205 73.1,108.9 73.1,106.3 69.9,106.3 69.9,108.9 67.72,111.205 59.719,111.205 57.1,108.8 57.1,48.458 68.401,37.196 68.401,36.245 67.588,35.432 50.641,35.432
3V3 on POWER "3V3_L02_P012" (solid, pour order 12): 72.2,38.596 75.396,35.4 120.712,35.4 122.422,37.11 122.422,40.717 124.725,43.02 124.725,45.51 127.091,47.875 132.19,47.875 134.115,49.8 138.555,49.8 142.955,45.4 148.238,45.4 157.863,35.776 160.089,35.583 160.95,36.444 160.95,70.981 159.507,72.077 122.977,72.077 116.84,65.94 97.825,46.925 72.2,46.925
P5V_A on POWER "P5V_A_L02_P004" (solid, pour order 4): 53.175,34.5 52.35,33.858 52.35,26.7 53.342,25.708 58.7,25.7 59.9,24.5 59.9,14 66,7.9 65.975,4.4 66.875,3.5 187.825,3.5 190.1,5.775 190.1,26.8 187.5,29.4 162.7,29.4 147.71,44.39 142.509,44.39 137.812,49.087 134.5,49.087 132.588,47.175 127.423,47.175 125.9,45.652 125.9,43.092 123.2,40.392 123.2,35.6 122.1,34.5
0V on POWER "Bottom Layer-No Net" (solid, pour order 100): 79.1,79.425 79.1,67.677 79.452,67.325 85.475,67.325 85.975,67.825 85.975,79.45
0V on POWER "Bottom Layer-No Net" (solid, pour order 98): 96.98,96.15 96.98,98.915 97.365,99.3 99.459,99.3 99.78,99.065 99.78,96.15
0V on POWER "Bottom Layer-No Net" (solid, pour order 96): 95.145,79.55 95.145,96.695 95.145,94.06 96.98,96.135 96.98,96.5 99.78,96.5 99.78,96.15 97.77,93.725 97.77,79.55
0V on POWER "Bottom Layer-No Net" (solid, pour order 94): 73.55,81.875 113.325,81.875 113.85,81.496 113.85,79.775 113.325,79.25 73.592,79.25 73.275,79.567 73.275,81.6
0V on POWER "Bottom Layer-No Net" (solid, pour order 49): 76.375,55.5 99.9,55.5 120.3,75.9 181.2,75.9 181.6,75.5 181.6,74.3 181.2,73.9 121.132,73.9 100.649,53.417 76.375,53.417
VBAT on POWER "Bottom Layer-No Net" (solid, pour order 68): 71.95,56.775 71.95,56.05 72.3,55.7 73.55,55.7 73.95,56.1 73.95,56.775
VBAT on POWER "Bottom Layer-No Net" (solid, pour order 47): 162.83,36.715 162.83,40.165 163.2,40.535 165.33,40.535 165.63,40.315 165.63,36.715
VBAT on POWER "Bottom Layer-No Net" (solid, pour order 45): 191.3,37.79 162.7,37.79 162.83,37.66 162.83,36.715 191.275,36.715 191.3,36.69
VBAT on POWER "Bottom Layer-No Net" (solid, pour order 43): 162.83,53.115 162.83,56.565 163.2,56.935 165.33,56.935 165.63,56.715 165.63,53.115
VBAT on POWER "Bottom Layer-No Net" (solid, pour order 41): 191.3,54.19 162.7,54.19 162.83,54.06 162.83,53.115 191.275,53.115 191.3,53.09
VBAT on POWER "Bottom Layer-No Net" (solid, pour order 39): 191.3,70.1 162.7,70.1 162.83,69.97 162.83,69.025 191.275,69.025 191.3,69
VBAT on POWER "Bottom Layer-No Net" (solid, pour order 31): 10.1,6.95 10.55,6.95 14.9,2.6 189,2.6 191.275,4.875 191.275,72.725 186.9,77.1 119.464,77.1 98.764,56.4 71.95,56.4 71.95,58.375 98,58.375 118.7,79.2 187.7,79.2 193.4,73.5 193.4,4.1 189.9,0.6 14.3,0.6 9.275,5.625 9.275,6
VBAT on POWER "Bottom Layer-No Net" (solid, pour order 33): 162.83,69.025 162.83,72.475 163.2,72.845 165.33,72.845 165.63,72.625 165.63,69.025
P5V_EXT_2 on POWER "Bottom Layer-No Net" (solid, pour order 70): 97.125,59.275 105.175,67.325 105.2,67.325 105.2,67.37 128.205,90.375 128.23,90.35 148.925,90.35 148.925,87.35 149.25,87.025 187.025,87.025 187.325,87.325 187.325,89.125 186.9,89.6 152.375,89.6 152.375,90.529 158.55,96.625 158.58,96.9 155.725,96.9 155.725,96.626 150.749,91.8 127.425,91.8 96.225,60.6 96.05,60.425 96.05,59.65 96.425,59.275
P5V_EXT_2 on POWER "Bottom Layer-No Net" (solid, pour order 72): 158.55,96.625 155.725,96.625 155.725,99.129 155.957,99.325 158.348,99.325 158.58,99.155 158.58,96.725
GND on Bottom Layer "GND_L04_P058" (solid, pour order 58): 47.2,48.675 79.43,48.675 80.2,47.905 80.2,42.075 79.475,41.35 49.625,41.35 49.25,40.975 47.225,41.35
GND on Bottom Layer "Bottom Layer-No Net" (solid, pour order 102): 49.675,40.394 58.756,40.394 59.15,40 59.15,35.825 58.6,35.275 52.817,35.275 52.15,35.942 52.15,37.625 52,37.775 49.566,37.775 49.4,37.607 49.098,37.302 49.098,40.864
VBAT on Bottom Layer "Bottom Layer-No Net" (solid, pour order 88): 16.063,9.725 12.64,9.725 12.065,9.15 4.675,9.15 4.275,9.55 4.275,13.4 3.875,13.8 1.475,13.8 1.125,13.45 1.125,9.725 4.175,6.675 8.275,6.675 12.35,2.6 15.8,2.6 16.038,2.838
VIN+ on Bottom Layer "Bottom Layer-No Net" (solid, pour order 86): 16.85,2.675 16.7,2.825 16.7,10.025 17.55,10.875 23.325,10.875 23.75,10.45 23.75,7.175 24.675,6.25 24.675,3.45 23.9,2.675
P5V_A on Bottom Layer "Bottom Layer-No Net" (solid, pour order 55): 52.175,30.396 52.175,26.57 53.017,25.728 58.693,25.728 59.933,24.488 59.933,19.967 60.625,19.275 79.55,19.275 80.275,20 80.275,29.075 79.625,29.725 56.76,29.733 55.69,30.803 52.582,30.803
GND on Bottom Layer "Bottom Layer-No Net" (solid, pour order 17): 35.106,35.67 34.4,36.2 34.4,50.95 36.25,52.8 43.875,52.8 49.4,47.275 49.4,35.925 49.145,35.67
AGND on Bottom Layer "Bottom Layer-No Net" (solid, pour order 56): 53.019,34.541 52.175,33.975 52.175,32.285 52.587,31.873 56.431,31.873 57.746,30.559 79.539,30.559 80.225,31.245 80.225,33.8 79.484,34.541
P5V on Bottom Layer "Bottom Layer-No Net" (solid, pour order 15): 36.4,25 47.524,25 49.335,26.811 49.335,34.763 49.098,35 34.5,35 34.4,34.9 34.4,26.474
0V on Top Layer "Bottom Layer-No Net" (solid, pour order 92): 85.1,66.225 84.675,65.8 80.379,65.771 79.95,66.2 79.95,69.225 80.525,69.8 84.404,69.8 85.1,69.258
VBAT on Top Layer "Bottom Layer-No Net" (solid, pour order 60): 89.225,57.775 89.225,55.8 89.625,55.4 94.45,55.4 94.45,58.5 89.95,58.5
0V on Top Layer "Bottom Layer-No Net" (solid, pour order 64): 62.537,58.437 62.725,58.625 66.825,58.625 67.05,58.4 67.05,55.5 67.575,55.05 83.25,55.05 84.025,55.825 84.025,58.025 88.225,58.025 88.225,55.5 86.275,53.55 65.125,53.55 62.554,56.121
VBAT on Top Layer "Bottom Layer-No Net" (solid, pour order 62): 68.049,58.225 68.049,56.126 68.303,55.872 73.2,55.872 73.2,58.225
3V3 on Top Layer "Bottom Layer-No Net" (solid, pour order 84): 82.85,45.35 84.175,45.35 84.4,45.125 84.4,36.15 84.036,35.75 81.278,35.75 81,36 81,45.15 81.2,45.35

## Silkscreen, mask and mechanical layers (free items; w line width, h text height)
Board Outline:
  the board outline again, w0.25

## Text inside footprints (layer, text, board x,y; h text height)
DA4: Top Overlay "Ctrl" at 8.65,48.35 h3.5; Top Overlay "0V" at 40.003,49.005 h3.5; Top Overlay "Trim" at 40.009,38.646 h3.5; Top Overlay "+Vo" at 40.009,28.008 h3.5; Top Overlay "Vin" at 9.768,35.836 h3.5; Top Overlay "GND" at 9.797,40.981 h3.5; Top Overlay "URB_LD-20WR3" at 9.69,30.094 h3.5
R2: Top 3D Body "L=8.0 D=3.5 d=0,6 A=13,75 / вариант формовки выводов 140.02.0304.00.00 / по ГОСТ 29137-91" at 33.592,11.861 h0.7
R16: Top 3D Body "L=8.0 D=3.5 d=0,6 A=13,75 / вариант формовки выводов 140.02.0304.00.00 / по ГОСТ 29137-91" at 67.564,16.292 h0.7 r90
R17: Top 3D Body "L=8.0 D=3.5 d=0,6 A=13,75 / вариант формовки выводов 140.02.0304.00.00 / по ГОСТ 29137-91" at 72.064,16.292 h0.7 r90
R25: Top 3D Body "L=8.0 D=3.5 d=0,6 A=13,75 / вариант формовки выводов 140.02.0304.00.00 / по ГОСТ 29137-91" at 129.708,23.514 h0.7 r180
R29: Top 3D Body "L=8.0 D=3.5 d=0,6 A=13,75 / вариант формовки выводов 140.02.0304.00.00 / по ГОСТ 29137-91" at 119.033,30.564 h0.7 r180
R52: Top 3D Body "L=8.0 D=3.5 d=0,6 A=13,75 / вариант формовки выводов 140.02.0304.00.00 / по ГОСТ 29137-91" at 139.889,26.082 h0.7 r90
R105: Top 3D Body "L=8.0 D=3.5 d=0,6 A=13,75 / вариант формовки выводов 140.02.0304.00.00 / по ГОСТ 29137-91" at 115.436,98.608 h0.7 r270
X5: Top Overlay "IN" at 80.575,1.875 h1.2; Top Overlay "OUT" at 65.775,1.775 h1.2
X6: Top Overlay "OUT" at 103.275,1.775 h1.2; Top Overlay "IN" at 118.075,1.875 h1.2
X7: Top Overlay "IN" at 150.575,1.875 h1.2; Top Overlay "OUT" at 135.775,1.775 h1.2
X8: Top Overlay "OUT" at 175.775,1.775 h1.2; Top Overlay "IN" at 190.575,1.875 h1.2
XS2: Top Overlay "32" at 116.675,108.925 h1.52; Top Overlay "31" at 116.675,106.385 h1.52; Top Overlay "2" at 73.275,108.71 h1.52; Top Overlay "1" at 73.725,106.235 h1.52